# Altium PCB PCB1.PcbDoc (part 4 of 4)
Units mm, origin at the board's own origin, x right, y up, seen from the top; angles counter-clockwise.
Board outline 125.6 x 103.5 mm, 2 copper layers (Top Layer, Bottom Layer); 202 components, 80 nets, 607 pads, 3510 vias.
Unrouted connection lines stored in the file: 2.
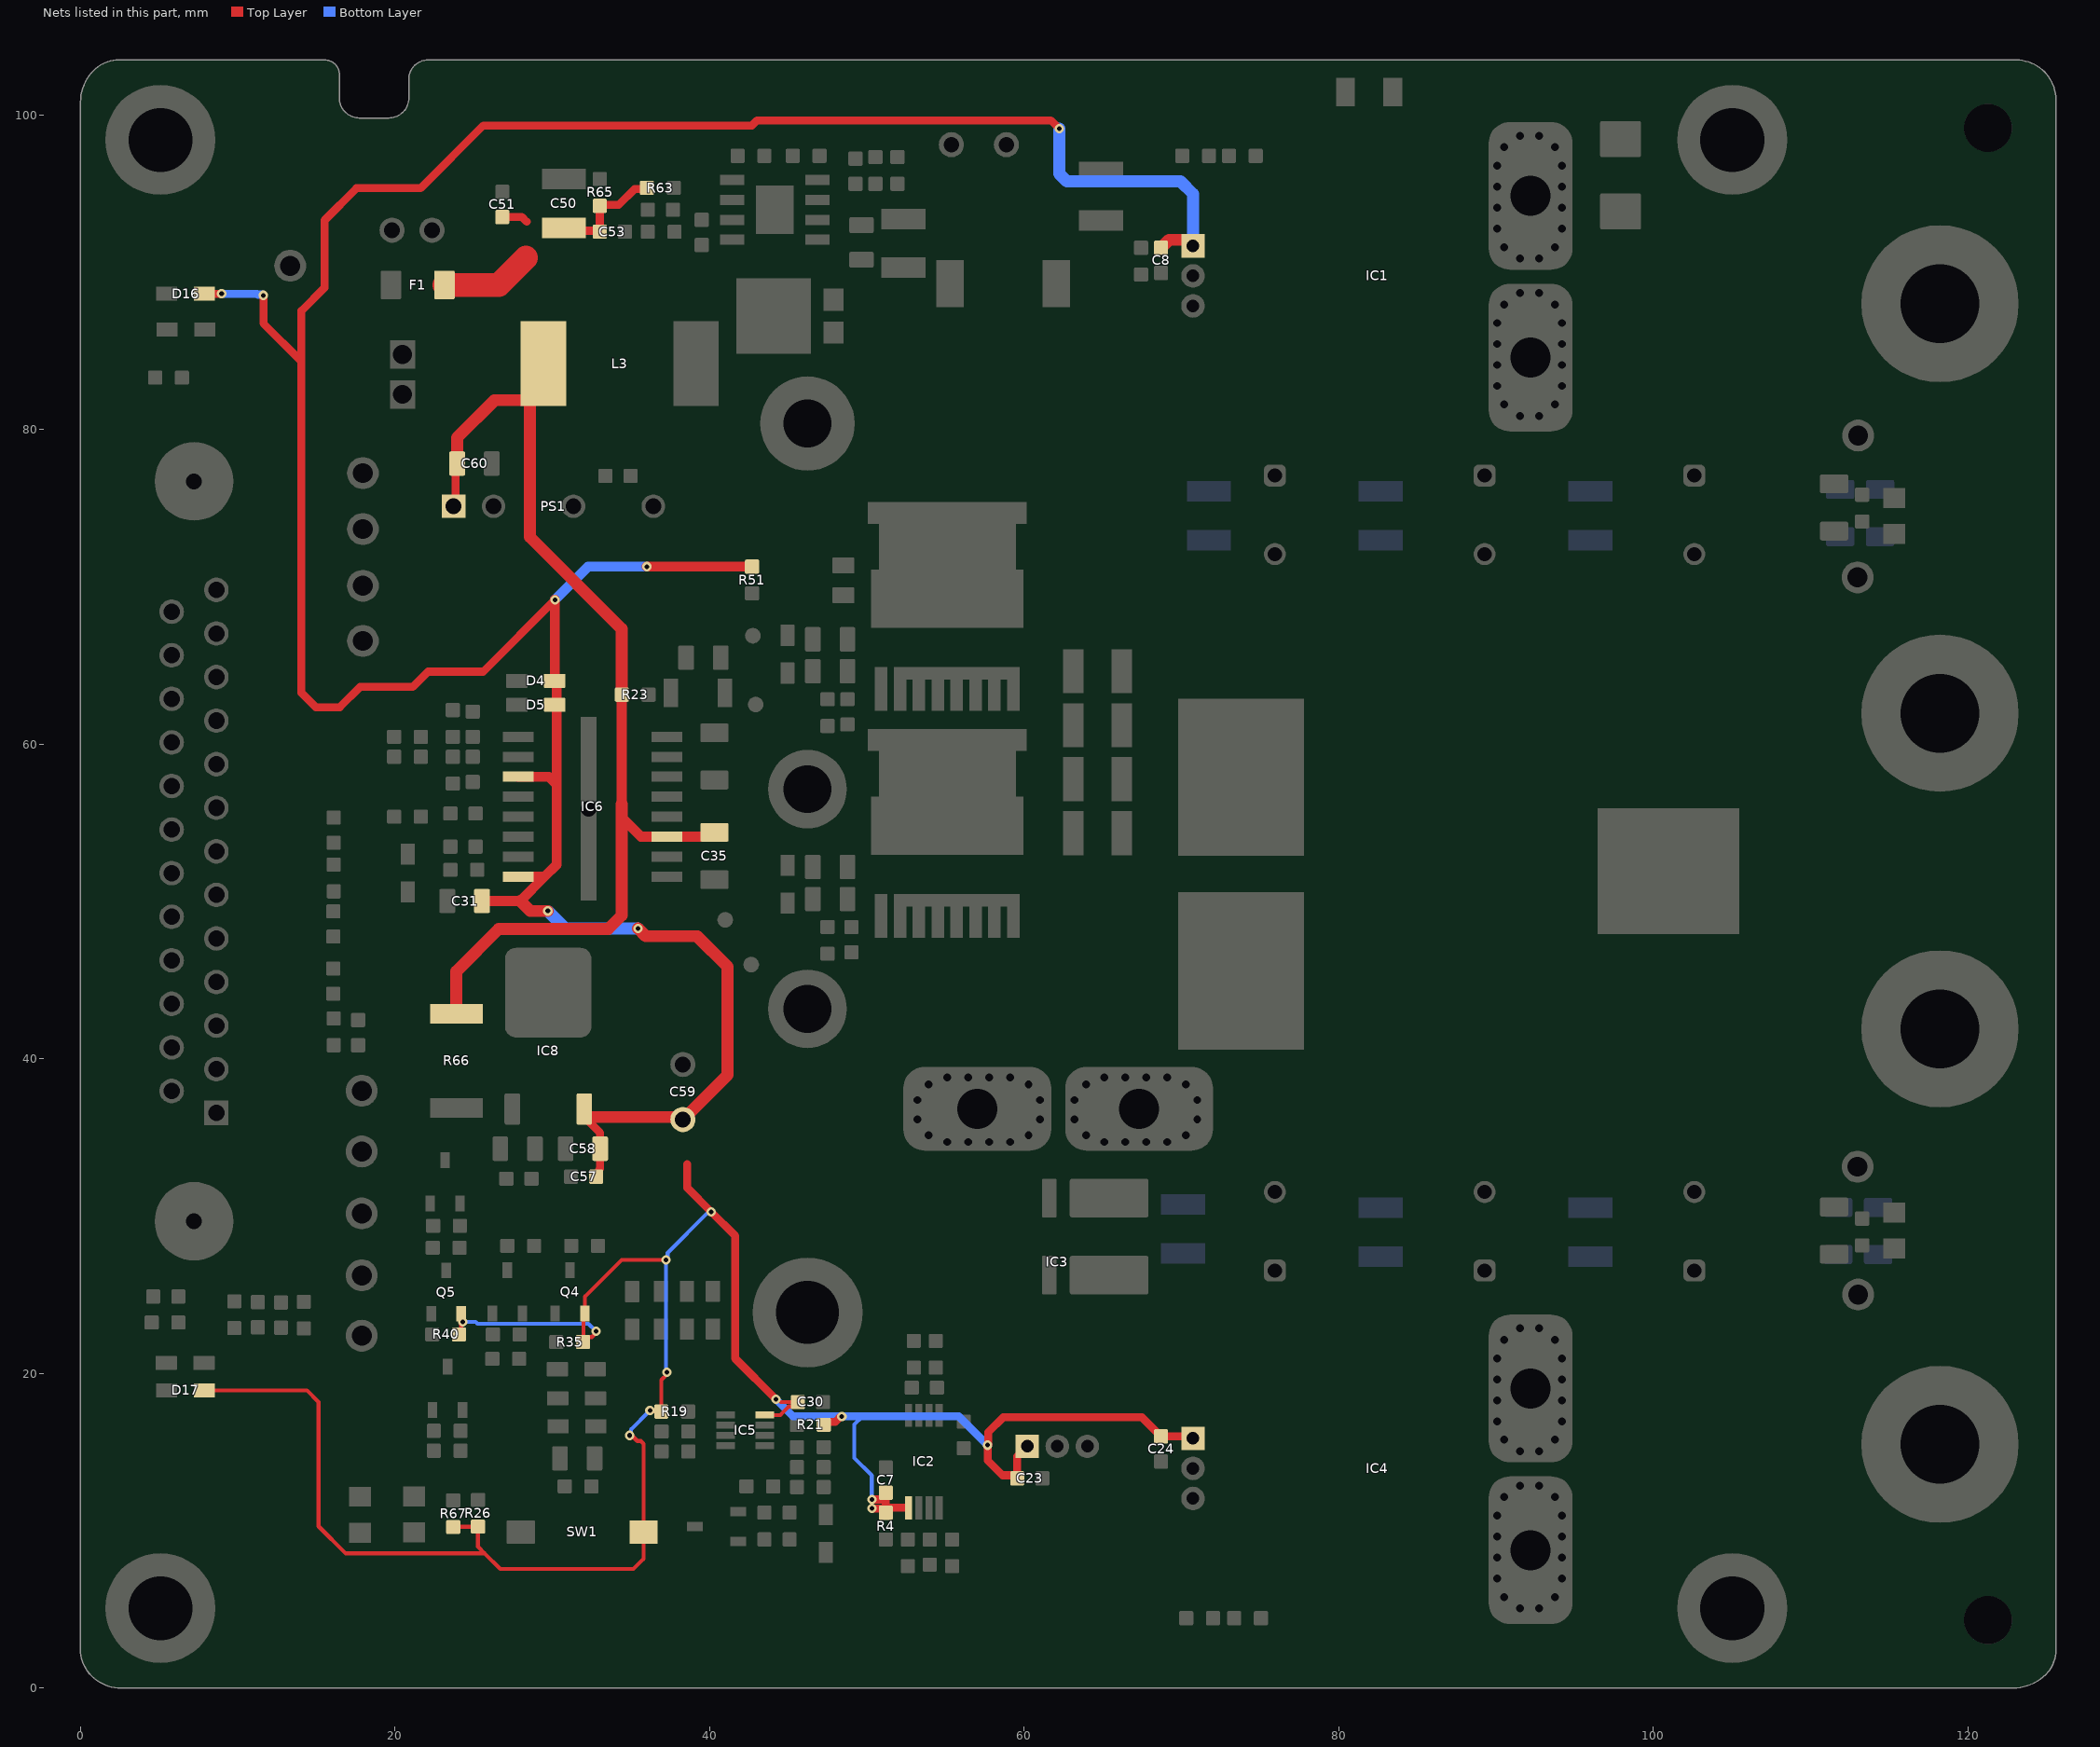
[diagram p4: the nets of this part, all layers, seen from the top]

## Via types
v1: diameter 0.6, hole 0.3, Top Layer to Bottom Layer, tented both sides, 3446 vias
v2: diameter 1.016, hole 0.762, Top Layer to Bottom Layer, tented both sides, 48 vias
v3: diameter 0.762, hole 0.762, Top Layer to Bottom Layer, tented both sides, 16 vias

## Nets (pads, with @x,y where several pads share a name; then routed paths per layer and width w, separated by ;. In a path a pad name is that pad's centre, name@x,y a point inside that pad or via, vN(x,y) a via of type N, cw(c..) or ccw(c..) an arc to the next point about the centre after c; other vN are vias at no path point) (continued)
VDD_5P0: C7.1 C8.2 C23.2 C24.2 C30.2 C31.2 C57.2 C58.2 C59.1 D4.2 D5.2 D16.2 D17.2 IC1.1 IC2.5 IC3.1 IC4.1 IC5.8 IC6.3 IC6.8 IC8.3 Q4.2 Q5.2 R4.1 R19.1 R21.1 R26.2 R35.2 R40.2 R51.2 R67.2 SW1.2 | length 357.4
  Top Layer w0.254: D17.2@7.874,18.923 14.402,18.923 15.138,18.186 15.138,10.287 16.866,8.56 25.705,8.56 ; R67.2@23.698,10.238 23.711,10.251 25.26,10.251 R26.2@25.273,10.263 25.273,8.992 25.705,8.56 ; R40.2@24.067,22.486 24.211,22.629 24.211,23.141 24.192,23.16 v1(24.308,23.275) ; R35.2@31.979,22.068 31.979,23.724 Q4.2@32.076,23.822 32.076,24.888 34.411,27.222 v1(37.23,27.222) ; R35.2@31.984,22.129 32.175,22.319 32.51,22.319 32.777,22.586 v1(32.777,22.682) ; v1(34.911,16.063) 35.048,16.063 35.401,15.711 35.623,15.711 35.802,15.531 SW1.2@35.802,9.916 35.802,8.218 35.154,7.569 26.695,7.569 25.705,8.56 ; v1(36.208,17.64) 36.239,17.609 36.902,17.609 R19.1@36.933,17.577 36.933,19.588 37.281,19.935 v1(37.281,20.072) ; IC5.8@43.516,17.358 44.497,17.358 45.031,17.892 45.324,17.892 C30.2@45.618,18.186 44.537,18.186
  Top Layer w0.508: D16.2@7.88,88.646 v1(8.971,88.646) ; v1(11.633,88.544) 11.633,86.757 14.046,84.344 ; v1(30.175,69.19) 30.162,69.177 25.603,64.618 22.098,64.618 21.133,63.652 17.78,63.652 16.485,62.357 14.961,62.357 14.046,63.271 14.046,84.344 ; IC8.3@32.028,36.426 32.028,36.313 33.045,35.296 C58.2@33.045,34.29 33.045,33.006 32.987,32.948 32.987,32.708 C57.2@32.791,32.512 ; 38.583,33.299 38.583,31.801 v1(40.107,30.277) 41.631,28.753 41.631,20.955 v1(44.221,18.364) ; R21.1@47.257,16.739 47.453,16.935 48.006,16.935 48.344,17.272 v1(48.412,17.272) ; v1(50.317,11.989) C7.1@51.206,11.989 ; v1@50.342,11.417 50.36,11.4 50.956,11.4 R4.1@51.206,11.149 C7.1@51.206,11.989 ; C7.1@51.206,12.421 C7.1@51.206,11.989 ; R4.1@51.35,11.464 IC2.5@52.476,11.464 ; IC3.1@60.198,15.367 59.563,14.732 C23.2@59.563,13.335 59.367,13.531 58.63,13.531 57.683,14.478 v1(57.683,15.444) 57.732,15.492 57.732,16.279 58.674,17.221 67.488,17.221 C24.2@68.707,16.002 IC4.1@70.612,16.002 ; v1(62.23,99.136) 61.697,99.67 43.026,99.67 42.696,99.339 25.616,99.339 21.628,95.352 17.551,95.352 15.519,93.32 15.519,89.035 14.046,87.562 14.046,84.344
  Top Layer w0.635: C31.2@25.527,50.038 27.965,50.038 29.514,51.587 ; IC6.8@27.837,51.587 29.514,51.587 ; IC6.3@27.837,57.937 29.768,57.937 30.276,57.429 ; D4.2@30.149,64.033 30.276,63.906 30.276,57.429 ; v1@30.162,69.177 30.162,64.166 30.295,64.033 D4.2@30.374,64.033 ; v1(36.017,71.298) R51.2@42.697,71.298 ; IC4.1@70.612,16.002 IC4.1@70.739,15.875 ; 29.514,51.587 30.276,52.349 30.276,57.429
  Top Layer w0.762: 27.965,50.038 28.6,49.403 v1(29.717,49.403) ; IC8.3@32.028,36.813 32.028,36.426 32.147,36.307 38.143,36.307 C59.1@38.303,36.147 41.148,38.992 41.148,45.858 39.203,47.803 35.941,47.803 v1(35.458,48.285) ; C8.2@68.707,91.567 69.215,92.075 70.356,92.075 IC1.1@70.739,91.692 IC1.1@70.676,91.629
  Bottom Layer w0.254: v1(24.308,23.275) 25.13,23.275 25.24,23.165 32.295,23.165 v1(32.777,22.682) ; v1(34.911,16.063) 35.008,16.161 35.008,16.441 v1(36.208,17.64) ; v1(37.281,20.072) 37.23,20.123 v1(37.23,27.222) 37.327,27.32 37.327,27.663 39.844,30.18 40.009,30.18 v1(40.107,30.277) ; 49.719,17.272 49.205,16.757 49.205,14.626 50.317,13.513 v1(50.317,11.989)
  Bottom Layer w0.508: v1(8.971,88.646) 11.227,88.646 11.28,88.593 11.585,88.593 v1(11.633,88.544) ; v1@30.124,69.19 v1(30.175,69.19) ; v1(44.221,18.364) 45.314,17.272 v1(48.412,17.272) ; v1(48.412,17.272) 49.719,17.272 55.855,17.272 v1(57.683,15.444)
  Bottom Layer w0.635: v1(30.175,69.19) 32.283,71.298 v1(36.017,71.298)
  Bottom Layer w0.762: v1(29.717,49.403) 30.835,48.285 v1(35.458,48.285) ; v1(62.23,99.136) 62.23,96.281 62.727,95.783 69.952,95.783 70.739,94.996 IC1.1@70.739,91.692
  other v1: 50.317,11.417
VDD_12P0: C35.1 C50.2 C51.2 C53.2 C60.2 F1.1 IC6.11 L3.2 PS1.1 R23.1 R63.2 R65.1 R66.1 | length 83.8
  Top Layer w0.508: PS1.1@23.724,75.133 23.838,75.248 23.838,77.737 C60.2@23.952,77.851 ; C51.2@26.822,93.523 28.067,93.523 28.372,93.218 ; C50.2@30.919,92.652 C53.2@32.951,92.652 ; C53.2@33.02,92.583 R65.1@33.02,94.234 ; R65.1@33.089,94.303 34.232,94.303 35.237,95.308 R63.2@35.95,95.308
  Top Layer w0.635: 34.418,55.345 35.636,54.127 IC6.11@37.287,54.127 40.055,54.127 C35.1@40.182,54.254 ; 34.418,56.21 R23.1@34.418,63.155
  Top Layer w0.762: R66.1@23.901,42.878 23.901,45.568 26.594,48.26 33.553,48.26 34.418,49.125 34.418,55.345 34.418,56.21 ; C60.2@23.952,77.851 23.952,79.502 26.332,81.882 28.371,81.882 L3.2@28.575,82.086 ; L3.2@29.44,84.201 29.44,82.951 L3.2@28.575,82.086 ; C53.2@32.951,92.652 C53.2@33.02,92.583 ; R65.1@33.02,94.234 R65.1@33.089,94.303 ; R23.1@34.418,63.155 34.418,67.334 28.575,73.177 L3.2@28.575,82.086 ; R63.2@35.95,95.308 R63.2@36.019,95.377
  Top Layer w1.524: F1.1@23.139,89.205 26.594,89.205 28.321,90.932
pads on no net: D1.0 D2.0 D4.0 D5.0 D6.0 D8.0 D9.0 D10.0 D11.0 D12.0 D13.0 D14.0 D15.0 D16.0 D17.0 D18.0 D19.0 IC6.7 IC6.12 IC6.13 IC8.0 J5. J5.11 L1.3

## Polygon pours and split planes (outlines as drawn)
P_GND on Bottom Layer "P_GND_L02_P005" (solid, pour order 5): 71.298,15.596 69.24,17.653 44.193,17.653 40.742,21.105 40.742,81.483 47.676,88.417 69.723,88.417 71.552,90.246 71.552,99.441 17.501,99.441 2.54,84.48 2.54,19.507 17.704,4.343 71.298,4.343
P_GND on Bottom Layer "P_GND_L02_P009" (solid, pour order 9): 54.712,41.148 51.308,41.148 49.632,39.472 49.632,34.798 48.793,33.96 38.887,33.96 38.811,34.036 38.938,34.163 38.938,50.673 54.712,50.673
V_in on Bottom Layer "V_IN_L02_P002" (solid, remove dead copper, pour order 2): 123.571,89.245 ccw(c121.031,89.245) 122.827,91.041 122.095,91.773 121.635,92.233 ccw(c119.839,90.437) 119.839,92.977 114.732,92.977 98.438,92.977 94.742,89.281 90.17,89.281 89.408,88.519 89.408,80.645 90.297,79.756 123.571,79.756
V_In_Cap on Bottom Solder "NONET_L02_P003" (solid, pour order 3): 50.038,81.661 52.832,84.455 68.326,84.455 68.326,74.549 63.627,69.85 63.627,67.31 50.038,67.31
P_GND on Top Layer "P_GND_L01_P006" (solid, remove dead copper, pour order 6): 71.298,15.316 68.961,17.653 46.38,17.653 41.224,22.809 41.224,81.183 48.382,88.341 68.326,88.341 71.526,91.542 71.526,104.134 -0.787,104.216 -0.787,1.092 1.295,-0.991 68.199,-0.991 71.298,2.108
P_GND on Top Layer "P_GND_L01_P011" (solid, pour order 11): 74.897,30.048 118.745,30.048 123.698,35.001 123.698,70.079 119.863,73.914 70.155,73.914 65.405,69.164 65.405,66.421 76.429,66.421 79.502,63.348 79.502,38.583 74.948,34.028
P_GND on Top Layer "P_GND_L01_P008" (solid, pour order 8): 38.265,34.214 38.265,33.96 48.793,33.96 49.632,34.798 49.632,39.472 51.308,41.148 54.038,41.148 54.038,51.181 53.835,51.384 50.508,51.308 50.432,51.232 38.265,51.232

## Keep-outs
Keep-Out Layer:
  lines w0.254: 0,2.443 ccw(c2.341,2.443) 0.686,0.787 ccw(c2.587,2.688) 2.587,0 122.883,0 ccw(c122.883,2.949) 124.968,0.864 ccw(c123.435,2.397) 125.603,2.397 125.603,100.99 ccw(c123.088,100.99) 124.866,102.768 ccw(c123.088,100.99) 123.088,103.505 24.282,103.505 22.098,103.505 ccw(c22.098,102.286) 20.879,102.286 20.879,101.092 cw(c19.609,101.092) 19.609,99.822 17.729,99.822 cw(c17.729,101.092) 16.459,101.092 16.459,102.591 ccw(c15.545,102.591) 15.545,103.505 2.433,103.505 ccw(c2.433,101.25) 0.838,102.845 ccw(c2.862,100.821) 0,100.821 0,2.443

## Other copper
Top Layer:
  region net V_in: 98.189,92.728 cw(c99.985,90.932) 99.985,93.472 119.471,93.472 cw(c119.471,90.932) 121.267,92.728 122.751,91.244 cw(c120.955,89.448) 123.495,89.448 123.495,86.004 123.495,79.273 120.828,76.606 108.331,76.606 105.181,79.756 90.297,79.756 89.408,80.645 89.408,88.519 90.17,89.281 94.742,89.281
  region net V_Out: 105.893,10.541 113.122,10.541 cw(c113.122,9.414) 113.919,10.211 ccw(c114.532,10.824) 114.532,9.957 119.369,9.957 ccw(c119.369,12.497) 121.165,10.701 122.961,12.497 ccw(c121.244,14.214) 123.673,14.214 123.698,18.263 123.698,23.241 120.396,26.543 108.839,26.543 107.188,24.892 106.045,23.749 90.043,23.749 89.535,23.241 89.535,14.986 90.17,14.351 95.123,14.351 98.933,10.541
  region net P_GND: 81.432,65.608 81.432,65.43 81.382,37.871 95.987,37.871 95.987,65.683
  region net NetIC3_4: 62.611,34.29 62.611,38.862 74.295,50.546 77.851,50.546 77.851,37.846 74.041,34.036 62.865,34.036
  region net NetIC3_4: 62.865,34.036 62.865,29.972 63.373,29.464 69.469,29.464 74.041,34.036
  region net V_in: 96.596,94.869 96.596,90.881 97.18,90.297 99.441,90.297 99.441,94.767 99.263,94.945 99.238,94.92 96.647,94.92
  region net NetC49_2: 72.365,100.559 72.365,98.603 74.955,98.603 75.032,98.679 75.032,100.559
  region net NetC45_1: 40.665,92.431 40.513,92.278 40.513,91.364 40.132,90.983 37.998,90.983 37.668,90.602 37.668,90.449 37.668,89.027 37.972,88.724 42.414,88.724 42.414,92.358 42.316,92.456
  region net P_GND: 39.294,38.989 39.218,38.938 30.963,38.938 30.455,39.446 30.455,46.203 31.14,46.888 38.374,46.888 39.294,45.739
  region net VDD_5P0: 32.664,32.131 32.69,32.106 38.633,32.106 40.183,33.655 40.183,36.83 39.116,37.897 31.598,37.897 31.598,37.871 31.496,37.77 31.496,35.916 32.334,35.077 32.334,32.106
  region net P_GND: 31.369,32.004 31.344,31.979 28.448,31.979 28.448,32.004 28.169,32.283 28.169,34.595 28.473,34.9 28.473,40.284 27.051,41.707 27.051,46.558 27.407,46.914 31.953,46.914 32.36,46.507 32.36,41.961 30.963,40.564 30.963,34.925 31.394,34.493 31.394,34.214
  region net NetIC2_8: 55.956,11.633 55.321,12.268 54.483,12.268 54.381,12.167 54.381,10.719 54.966,10.135 54.966,9.017 55.016,8.966 55.829,8.966 55.956,9.093
  region net VDD_12P0: 28.626,81.432 30.861,81.432 31.521,82.093 31.521,90.246 33.477,92.202 33.477,93.269 33.198,93.548 28.296,93.548 27.915,93.167 27.94,93.142 27.94,81.509 28.092,81.432
  region net NetC45_1: 46.482,84.785 46.457,84.811 43.866,84.811 40.437,81.382 37.668,81.382 37.668,83.185 37.668,89.205 38.125,89.662 46.304,89.662 46.482,89.484
  region net P_GND: 47.193,85.395 49.352,85.395 53.67,89.713 53.67,91.034 53.467,91.237 50.673,91.237 50.394,91.516 48.539,91.516 47.574,92.481 45.466,92.481 45.288,92.659 45.288,95.656 45.11,95.834 43.205,95.834 42.977,95.606 42.977,91.034 43.713,90.297 46.685,90.297 47.193,89.789
  region net NetC46_1: 56.515,87.859 56.312,87.655 54.407,87.655 54.28,87.782 54.28,92.227 53.899,92.608 50.622,92.608 50.368,92.354 48.692,92.354 48.692,92.431 48.26,92.862 45.999,92.862 45.923,92.939 45.923,93.726 45.999,93.802 48.743,93.802 49.174,94.234 54.28,94.234 57.836,97.79 57.836,98.73 58.141,99.035 59.842,99.035 59.969,98.908 59.969,96.647 56.515,93.193
  region net NetC49_2: 62.992,87.757 60.452,87.757 59.817,88.392 59.817,95.631 62.865,98.679 66.421,98.679 66.675,98.425 66.675,95.885 66.167,95.377 63.881,95.377 62.992,94.488
  region net V_In_Cap: 50.038,78.867 50.038,81.661 52.832,84.455 62.865,84.455 64.262,85.852 72.161,85.852 73.66,87.351 73.66,94.742 78.613,99.695 94.107,99.695 94.996,98.806 94.996,90.932 94.234,90.17 89.789,90.17 88.519,88.9 88.519,80.01 89.662,78.867
  region net V_In_Cap: 50.038,78.867 50.038,75.184 103.759,75.184 104.267,75.692 104.267,78.359 103.759,78.867
  region net P_GND: 65.405,66.421 65.405,69.088 70.231,73.914 104.267,73.914 104.267,70.104 103.251,69.088 71.501,69.088 68.834,66.421
  region net HS: 60.198,53.086 59.563,52.451 50.673,52.451 50.038,53.086 50.038,56.515 50.038,59.69 50.038,60.325 51.689,61.976 51.689,64.897 51.816,65.024 60.071,65.024 60.198,64.897
  region net V_Out_Cap: 63.373,28.067 71.628,28.067 72.136,28.575 73.279,28.575 73.279,25.019 89.154,25.019 87.884,23.749 87.884,14.732 89.154,13.462 94.234,13.462 94.996,12.7 94.996,4.826 94.107,3.937 77.597,3.937 73.787,7.747 73.787,16.002 70.104,19.685 65.278,19.685 62.865,22.098 62.865,27.559
  region net V_Out_Cap: 104.14,25.019 104.902,25.781 104.902,27.686 104.013,28.575 73.279,28.575 73.279,25.019
  region net HS: 69.85,52.451 69.85,65.024 75.819,65.024 77.851,62.992 77.851,52.832 77.47,52.451
  region net P_GND: 52.324,41.148 50.038,43.434 50.038,47.244 51.435,47.244 51.689,47.498 51.689,50.546 51.816,50.673 64.135,50.673 65.405,51.943 65.405,66.421 68.834,66.421 68.834,46.863 63.119,41.148
  region net V_In_Cap: 64.008,69.723 69.469,75.184 50.038,75.184 50.038,66.675 60.325,66.675 61.214,65.786 61.214,52.959 61.722,52.451 64.008,52.451
Bottom Layer:
  region net V_Out: 123.368,23.571 cw(c123.123,23.326) 123.469,23.326 123.469,14.006 cw(c120.929,14.006) 122.725,12.21 121.691,11.227 121.165,10.701 cw(c119.369,12.497) 119.369,9.957 114.63,9.957 cw(c114.63,11.078) 113.837,10.285 ccw(c113.219,9.667) 113.219,10.541 106.451,10.541 98.933,10.541 95.123,14.351 90.17,14.351 89.535,14.986 89.535,23.241 90.043,23.749 106.045,23.749 107.188,24.892 107.188,27.559 108.077,28.448 118.491,28.448
  region net P_GND: 81.331,65.583 81.458,65.456 81.458,40.386 95.86,40.386 96.012,40.234 96.063,40.284 96.063,65.659
  region net P_GND: 50.038,50.673 50.038,43.434 52.324,41.148 85.725,41.148 85.725,50.673
  region net NetC49_2: 66.446,98.4 66.446,96.596 63.094,96.596 63.004,96.685 63.004,98.146 63.444,98.577 66.269,98.577
  region net NetC45_1: 41.224,89.256 41.199,89.23 41.199,85.09 46.253,85.09 46.33,85.166 46.33,89.256
  region net V_In_Cap: 47.6,72.187 47.65,72.136 50.317,72.136 50.343,72.111 50.343,68.58 50.165,68.402 47.498,68.402 46.939,68.961 46.939,72.009 47.117,72.187
  region net V_In_Cap: 72.187,85.852 72.187,85.877 73.66,87.351 73.66,94.742 74.4,95.453 74.4,97.431 77.014,99.695 94.107,99.695 94.996,98.806 94.996,90.932 94.234,90.17 89.789,90.17 88.519,88.9 88.519,80.01 89.662,78.867 50.038,78.867 50.038,81.661 52.832,84.455 62.865,84.455 64.262,85.852
  region net V_in: 123.571,79.248 123.571,79.756 105.41,79.756 106.489,78.676 106.399,76.227 107.315,75.311 119.634,75.311
  region net V_Out_Cap: 57.404,19.685 52.197,24.892 52.197,28.067 71.628,28.067 72.136,28.575 104.013,28.575 104.902,27.686 104.902,25.781 104.14,25.019 89.154,25.019 87.884,23.749 87.884,14.732 89.154,13.462 94.361,13.462 94.996,12.827 94.996,4.826 94.107,3.937 77.597,3.937 73.787,7.747 73.787,16.002 70.104,19.685
  region net V_In_Cap: 50.038,78.867 50.038,75.184 103.759,75.184 104.267,75.692 104.267,78.359 103.759,78.867
  region net HS: 51.816,65.024 60.198,65.024 75.819,65.024 77.851,62.992 77.851,53.467 76.835,52.451 50.673,52.451 50.038,53.086 50.038,61.341 51.181,61.341 51.689,61.849 51.689,64.897
  region net V_Out_Cap: 52.197,38.735 53.086,39.624 60.96,39.624 61.722,38.862 61.722,33.401 67.056,28.067 52.197,28.067
  region net V_In_Cap: 50.038,75.184 69.469,75.184 64.008,69.723 64.008,66.675 50.038,66.675
  region net P_GND: 73.279,34.417 73.279,34.29 70.866,31.877 69.215,31.877 68.707,31.369 68.707,30.099 69.342,29.464 71.12,29.464 71.628,29.972 74.041,29.972 118.716,29.972 123.419,34.675 123.419,70.129 119.634,73.914 70.231,73.914 65.405,69.088 65.405,66.421 76.454,66.421 79.502,63.373 79.502,52.324 77.851,50.673 50.038,50.673 50.038,43.434 52.324,41.148 71.628,41.148 73.279,39.497

## Silkscreen, mask and mechanical layers (free items; w line width, h text height)
Top Overlay:
  lines w0.254: 1.651,84.455 1.27,84.455 ; 1.778,21.844 1.524,21.844 ; 12.954,84.455 13.843,84.455 ; 108.204,67.056 107.959,66.811 ; 109.601,8.128 109.601,8.509 ccw(c106.535,8.509) 108.703,10.677 107.451,11.929 cw(c109.619,14.097) 106.553,14.097 106.553,18.669 cw(c109.619,18.669) 107.451,20.837 108.703,22.089 ccw(c106.535,24.257) 109.601,24.257 109.601,25.654 ; 109.601,8.382 109.601,1.143 cw(c108.712,1.143) 108.712,0.254 2.856,0.254 2.242,0.254 cw(c2.242,1.988) 1.016,0.762 0.942,0.836 cw(c2.602,2.496) 0.254,2.496 0.254,3.11 0.254,20.574 cw(c1.524,20.574) 1.524,21.844 ; 109.601,24.638 109.601,34.29 ; 109.601,32.639 109.601,34.798 ccw(c106.535,34.798) 108.703,36.966 107.959,37.71 cw(c110.127,39.878) 107.061,39.878 107.061,64.643 cw(c110.127,64.643) 107.959,66.811 ; 109.601,69.977 109.601,78.613 ; 109.601,72.517 109.601,69.723 cw(c106.535,69.723) 108.703,67.555 107.959,66.811 ; 109.601,78.232 109.601,78.613 ; 109.601,101.981 109.601,102.362 ; 121.539,72.517 121.539,77.343 ; 122.174,26.733 122.174,31.686 ; 1.27,84.455 cw(c1.27,85.471) 0.254,85.471 0.254,100.47 0.254,101.083 cw(c2.422,101.083) 0.889,102.616 cw(c2.422,101.083) 2.422,103.251 2.676,103.251 108.712,103.251 cw(c108.712,102.362) 109.601,102.362 ; 1.27,84.455 13.843,84.455 ; 1.524,21.844 13.97,21.844 ccw(c13.97,22.987) 15.113,22.987 15.113,83.185 ccw(c13.843,83.185) 13.843,84.455 ; 109.601,78.613 ccw(c106.535,78.613) 108.703,80.781 107.324,82.16 cw(c109.492,84.328) 106.426,84.328 106.426,89.662 cw(c109.492,89.662) 107.324,91.83 109.062,93.568 ccw(c107.761,94.869) 109.601,94.869 109.601,102.362
  text "(+)" at 122.241,78.105 h3.81 r90
  text "INPUT" at 119.094,70.485 h3.81 r90
  text "(-)" at 122.368,69.088 h3.81 r90
  text "(-)" at 122.749,32.829 h3.81 r90
  text "OUTPUT" at 119.348,22.479 h3.81 r90
  text "(+)" at 123.003,22.288 h3.81 r90
  text "Connector" at 2.616,21.031 h0.76 r270
  text "HIL" at 1.245,18.72 h0.76 r270
  text "FPMI LAB" at 12.954,5.842 h3.81
  text "DC-DC Converter V1.0" at 13.081,3.683 h1.02
  text "PCBA08102023" at 13.081,1.778 h1.02
Bottom Solder:
  region: 51.816,65.024 60.198,65.024 75.819,65.024 77.851,62.992 77.851,53.467 76.835,52.451 50.673,52.451 50.038,53.086 50.038,61.341 51.181,61.341 51.689,61.849 51.689,64.897
Drill Drawing:
  region: 72.365,100.635 72.365,98.628 72.339,98.603 72.441,98.501 74.828,98.501 75.032,98.704 75.032,100.584 74.879,100.736 72.466,100.736 72.39,100.66

## Text inside footprints (layer, text, board x,y; h text height)
J6: Mechanical 1 "2" at 20.052,93.085 h0.8 r180; Mechanical 1 "1" at 22.452,93.085 h0.8 r180
J7: Mechanical 1 "2" at 20.072,82.545 h0.76 r270; Mechanical 1 "1" at 20.072,84.945 h0.76 r270